# Altium PCB Open Hardware.PcbDoc
Units mil, origin at the board's own origin, x right, y up, seen from the top; angles counter-clockwise.
Board outline 1290 x 990 mil, 2 copper layers (Top Layer, Bottom Layer), stack 61.756 mil thick; 20 components, 19 nets, 95 pads, 29 vias.
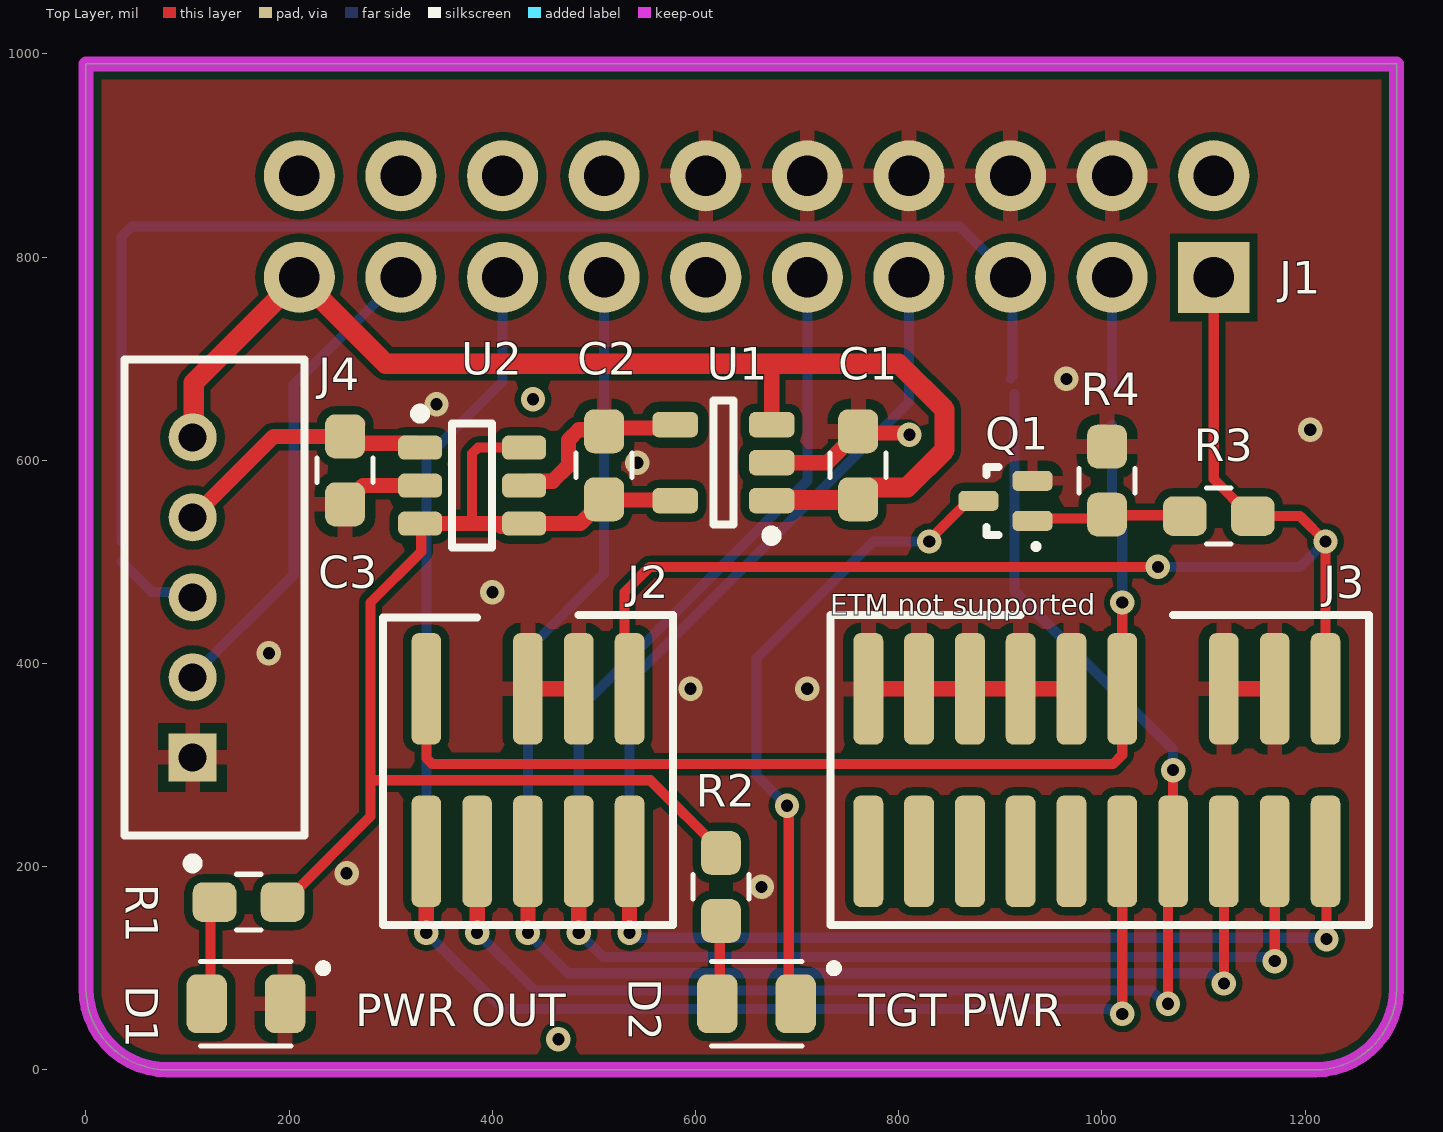
[diagram p0: Top Layer view]
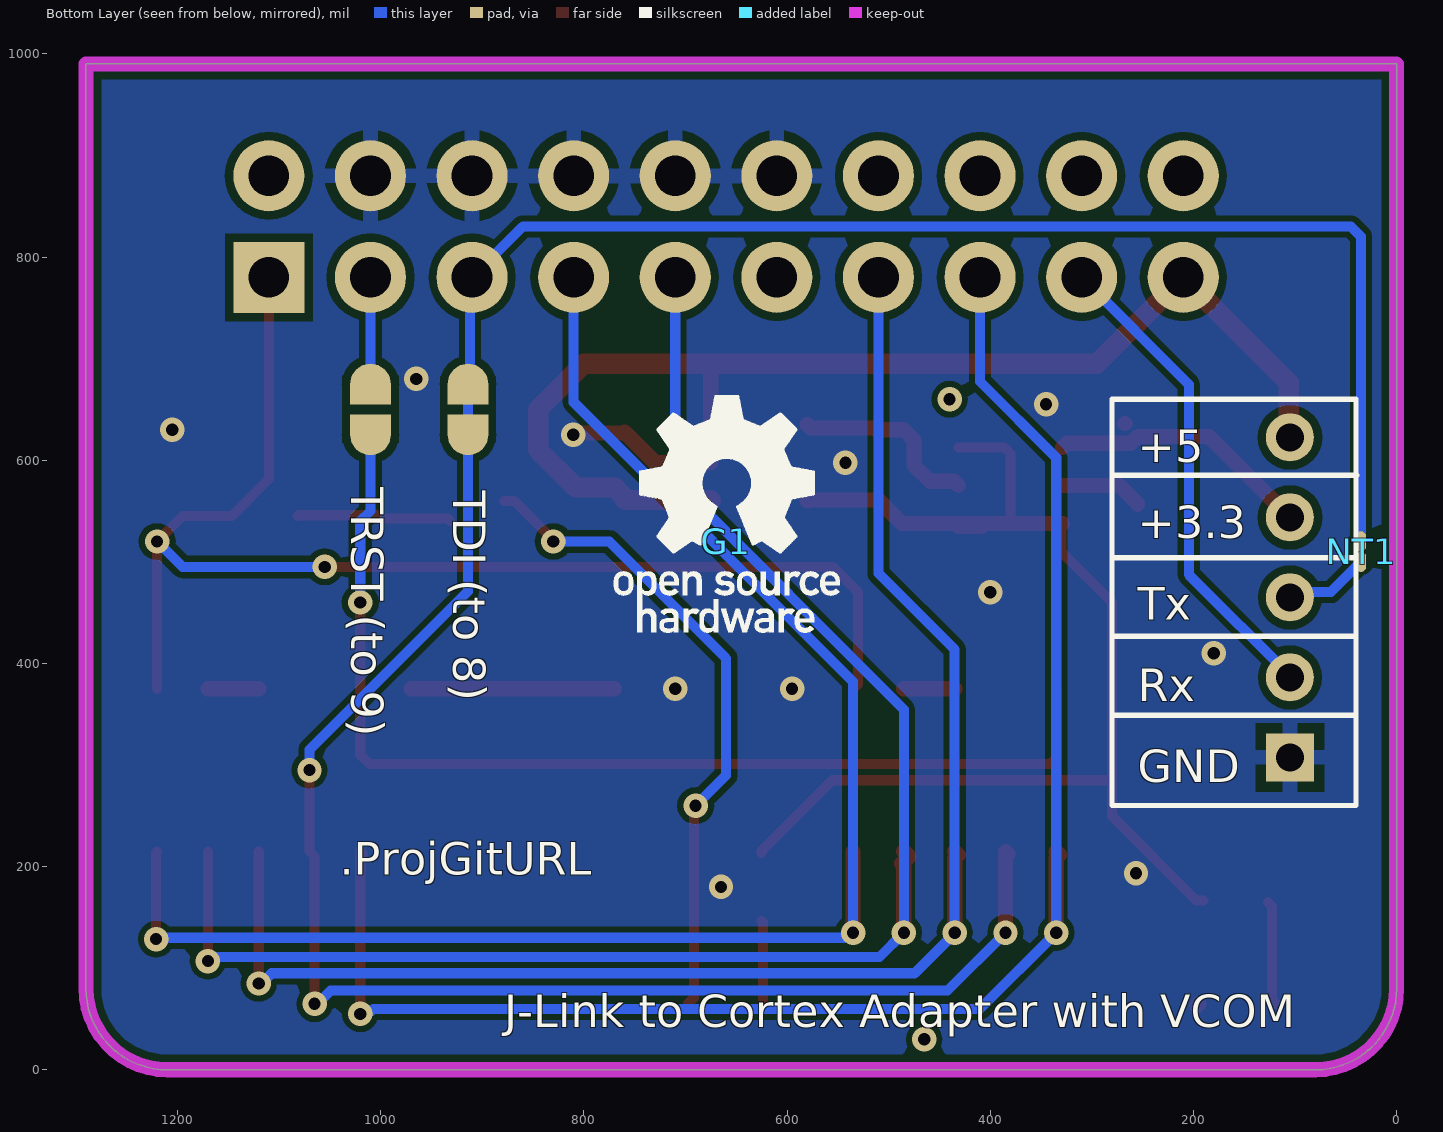
[diagram p1: Bottom Layer view, seen from below]
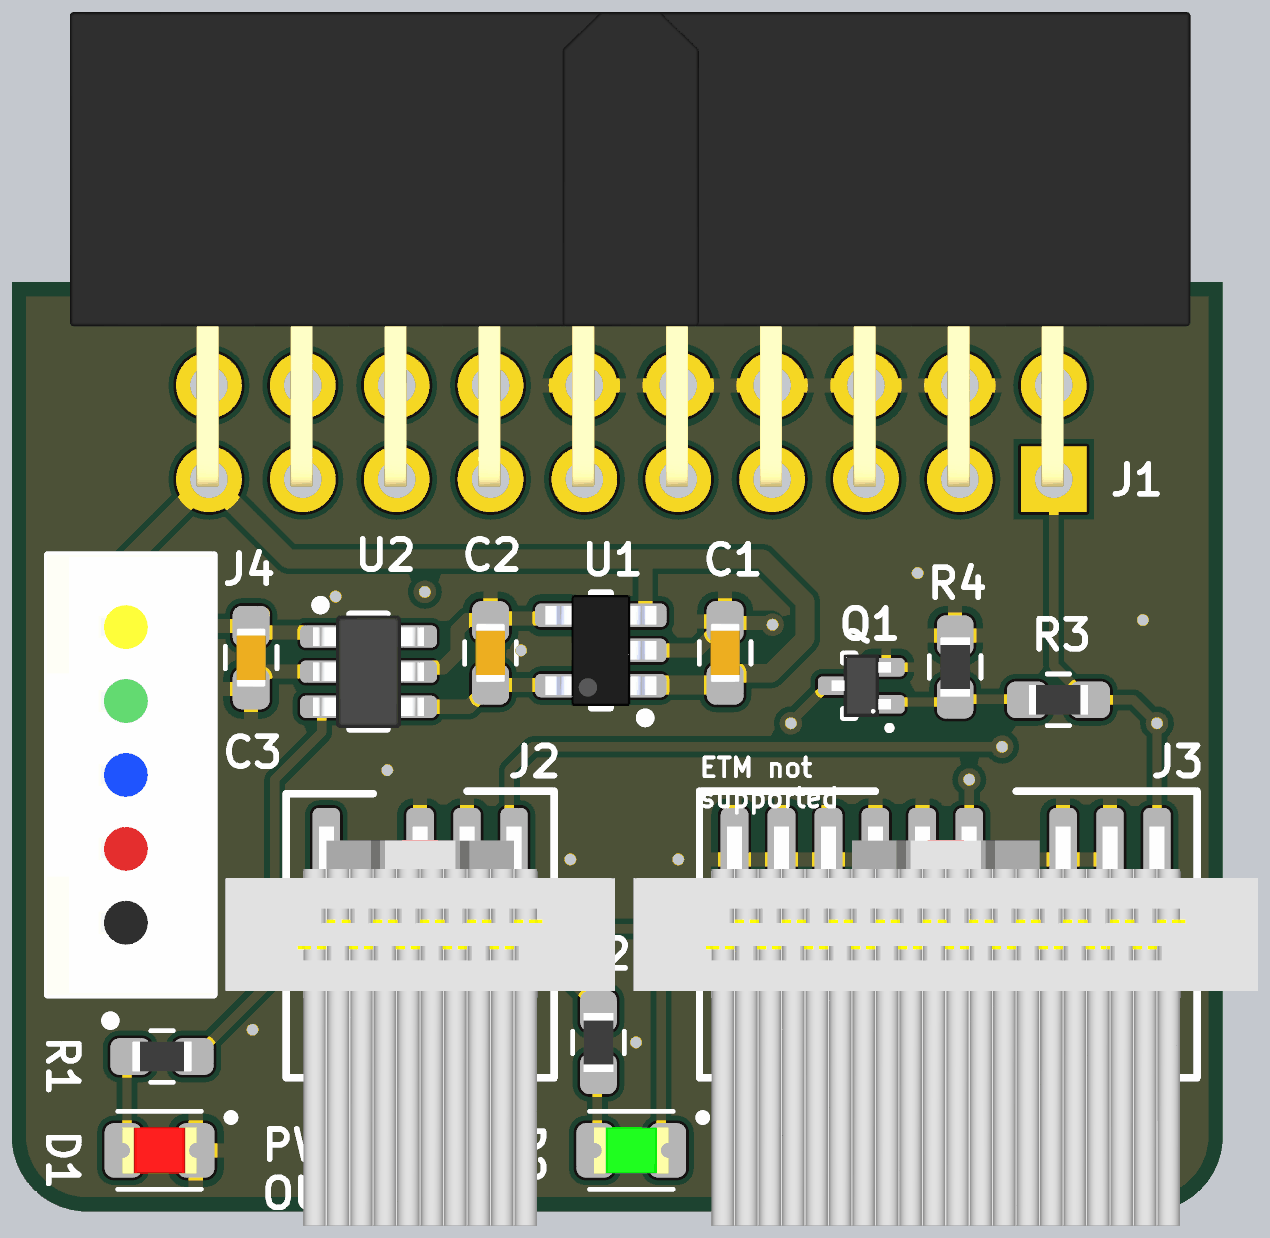
[diagram p2: 3D render of the assembled board from above, using the file's embedded part models]

## Layer stack, top to bottom
Top Solder: solder mask 1, PSR-4000BN, Dk 4.5
Top Layer: signal copper 1.378
Dielectric 1: core 59, Kingboard KB6167F, Dk 4.5
Bottom Layer: signal copper 1.378
Bottom Solder: solder mask 1, PSR-4000BN, Dk 4.5

## Board outline
1210,0 ccw(c1210,80) 1290,80 1290,990 0,990 0,80 ccw(c80,80) 80,0

## Design rules (kind name [scope] priority, off if disabled: settings)
BoardOutlineClearance [All] p1: gap=15 ignorepadtopadclearanceinfootprint=FALSE
Clearance [All] p1: gap=6 ignorepadtopadclearanceinfootprint=FALSE except(8: SMDPad-Poly THPad-Poly; 12: Arc-Hole Track-Hole SMDPad-Hole THPad-Hole Via-Hole Fill-Hole Poly-Hole Region-Hole Text-Hole)
ComponentClearance [All] p1: gap=5 collisioncheckmode=3 verticalgap=5 showdistances=TRUE
Creepage [All] p1: checkdistance=3 ignoreinternallayers=FALSE
DiffPairsRouting [All] p1: maxlimit=10 minlimit=5 mostfreqgap=5 toplayer_minwidth=5 toplayer_maxwidth=1000 toplayer_prefwidth=5 bottomlayer_minwidth=5 bottomlayer_maxwidth=1000 bottomlayer_prefwidth=5 maxuncoupledlength=500
Height [All] p1: minheight=0 maxheight=71497.94 prefheight=500
HoleSize [All] p1: absolutevalues=TRUE maxlimit=248.03 minlimit=10 maxpercent=80.000 minpercent=20.000
HoleToHoleClearance [All] p1: gap=9.84 allowstackedmicrovias=FALSE
MinimumAnnularRing [All] p1: minimumring=3
MinimumSolderMaskSliver [All] p1: minsoldermaskwidth=4
PasteMaskExpansion "THT Paste" [IsThruPin or IsThruVia or IsVia] p1: expansion=-99999
PasteMaskExpansion [All] p2: expansion=0
PlaneClearance [All] p1: clearance=5
PlaneConnect PlaneConnectPowerPads [InPadClass('PowerPads')] p1: planeconnectstyle=Direct reliefexpansion=20 reliefentries=4 reliefconductorwidth=10 reliefairgap=10
PlaneConnect [All] p2: pad.planeconnectstyle=Relief pad.reliefexpansion=11.81 pad.reliefentries=4 pad.reliefconductorwidth=5 pad.reliefairgap=5 via.planeconnectstyle=Direct via.reliefexpansion=11.81 via.reliefentries=4 via.reliefconductorwidth=5 via.reliefairgap=5
PolygonConnect PolygonConnectPowerPads [All vs InPolygonClass('PWRPLY')] p1: thpad.connectstyle=Relief thpad.reliefconductorwidth=15 thpad.reliefentries=4 thpad.polygonreliefangle="90 Angle" thpad.airgapwidth=10 smdpad.connectstyle=Relief smdpad.reliefconductorwidth=15 smdpad.reliefentries=4 smdpad.polygonreliefangle="90 Angle" smdpad.airgapwidth=10 via.connectstyle=Direct via.reliefconductorwidth=10 via.reliefentries=4 via.polygonreliefangle="90 Angle" via.airgapwidth=10
PolygonConnect [All] p2: thpad.connectstyle=Relief thpad.reliefconductorwidth=8 thpad.reliefentries=4 thpad.polygonreliefangle="90 Angle" thpad.airgapwidth=8 smdpad.connectstyle=Relief smdpad.reliefconductorwidth=5 smdpad.reliefentries=4 smdpad.polygonreliefangle="90 Angle" smdpad.airgapwidth=5 via.connectstyle=Direct via.reliefconductorwidth=5 via.reliefentries=4 via.polygonreliefangle="90 Angle" via.airgapwidth=5
RoutingCorners [All] p1: cornerstyle=45-Degree minsetback=250 maxsetback=100
RoutingVias [All] p1: holewidth=12 width=24 viastyle="Through Hole" minholewidth=10 minwidth=20 maxholewidth=23.62 maxwidth=259.84
SilkToSilkClearance [All] p1: silktosilkclearance=3
SilkToSolderMaskClearance [IsPad or IsVia] p1: minsilkscreentomaskgap=3 clearancetoexposedcopper=FALSE
SolderMaskExpansion TentedVias [IsVia] p1: expansion=4 istentingtop=TRUE
SolderMaskExpansion [All] p2: expansion=3 istentingtop=FALSE
UnRoutedNet [All] p1: checkbadconnections=TRUE
Width PWRWIDTH [InNetClass('PWR')] p1: maxlimit=40 minlimit=10 preferedwidth=15 minimp=50.000000 maximp=50.000000 favimp=50.000000
Width [All] p2: maxlimit=1000 minlimit=6 preferedwidth=10 minimp=50.000000 maximp=50.000000 favimp=50.000000
17 further rules are at their usual default settings.

## Classes and differential pairs
polygon class PWRPLY: BOTGND TOPGND
net class PWR: +3.3 +3.3_EXT +5 GND

## Components (designator, comment, footprint, x,y, rotation, side; value= is the part's Value field where it differs from the comment)
C1 "CAP 0603 1UF 16V 10% X7R" 0603_CAP 760,595 r270 top value=1UF
C2 "CAP 0603 1UF 16V 10% X7R" 0603_CAP 510,595 r270 top value=1UF
C3 "CAP 0603 1UF 16V 10% X7R" 0603_CAP 255,590 r90 top value=1UF
D1 "Red LED" SM0805HCL 157.4,65 r180 top
D2 "Green LED" SM0805GCL 660,65 r180 top
G1 "Comment" OSHW_.25in 660,520 r180 bottom
J1 "20 contact Female header, RA" SFH11-PBPC-D10-RA-BK 660,1110.31 r180 top
J2 "Cortex Debug, 0.050\" 10 Pin" "FTSH-105-01-F-DV-007-K WITH PLUG" 435,295 r180 top
J3 "Cortex Debug+ETM Connector, 0.050\" 20 Pin" "FTSH-110-01-F-DV-007-K with plug" 1120,295 r180 top
J4 "5 Pin, 2mm" "B5B-PH-K-S with wires" 126.65,465 r270 top
NT1 "Net Tie" NT10 35,520 r270 bottom net-tie
Q1 "N-Channel MOSFET" SC89 905,560 r180 top
R1 "RES 0603 680 1%" 0603_RES 160,165 r0 top value=680
R2 "RES 0603 680 1%" 0603_RES 625,180 r90 top value=680
R3 "RES 0603 1K 1%" 0603_RES 1115,545 r180 top value=1K
R4 "RES 0603 10K 1%" 0603_RES 1005,580 r270 top value=10K
"TDI (to 8)" "SMD JMP" SMD_JMP_SHRT 914,665 r270 bottom net-tie
"TRST (to 9)" "SMD JMP" SMD_JMP_OPEN 1010,665 r270 bottom
U1 "3.3V LDO" SOT23-5 627.5,597.6 r90 top
U2 "Hot Swap Controller" TI_DBV0006A 380,575 r0 top

## Footprints (in the part's own frame and the unit in brackets; to place one, negate y for a bottom-side part, rotate by r counter-clockwise, add the part's x,y. Pads: shape width x height; smd on the part's side, far side on the other; paste and mask are expansions set on the pad)
0603_CAP [mm]
  rrect50% 1.1x1 smd: 1(-0.85,0) 2(0.85,0)
  silkscreen extent -0.3,-0.7 0.3,0.7, body extent -0.8,-0.4 0.8,0.4, height 0.6
0603_RES [mil]
  rrect50% 43x39 smd: 1(-33.46,0) 2(33.46,0)
  silkscreen extent -12,-28 12,28, body extent -31,-16 32,16, height 24
"B5B-PH-K-S with wires" [mm]
  rect 1.2x1.2 hole 0.7 paste-1000: 1(4,-0.55)
  round 1.2 hole 0.7 paste-1000: 2(2,-0.55) 3(0,-0.55) 4(-2,-0.55) 5(-4,-0.55)
  silkscreen extent -5.95,-2.25 6.77,2.25, body extent -5.95,-2.26 5.95,2.24, height 13.46
"FTSH-105-01-F-DV-007-K WITH PLUG" [mil]
  rrect50% 29.13x109.84 smd: 1(-100,-80) 2(-100,80) 3(-50,-80) 4(-50,80) 5(0,-80) 6(0,80) 8(50,80) 9(100,-80) 10(100,80)
  silkscreen extent -143,-153 143,153, body extent -207,-115 208,310, height 315
"FTSH-110-01-F-DV-007-K with plug" [mil]
  rrect50% 29.13x109.84 smd: 1(-100,-80) 2(-100,80) 3(-50,-80) 4(-50,80) 5(0,-80) 6(0,80) 8(50,80) 9(100,-80) 10(100,80)
  rrect50% 29.5x109.84 smd: 11(150,-80) 12(150,80) 13(200,-80) 14(200,80) 15(250,-80) 16(250,80) 17(300,-80) 18(300,80) 19(350,-80) 20(350,80)
  silkscreen extent -143,-153 387,153, body extent -207,-115 458,310, height 315
NT10 [mil]
  oval 20x10 smd paste-999 mask-999: 1(0,0)
  oval 20x10 smd paste-9999 mask+4: 2(20,0)
OSHW_.25in [mil]
  silkscreen extent -110,-90 112,144
SC89 [mm] "SOT-416FL, 3-Leads, Body 1.60x1.60mm, Pitch 0.50mm, IPC Low Density"
  rrect50% 1x0.5 smd: 1(-0.675,0.5) 2(-0.675,-0.5) 3(0.675,0)
  silkscreen extent -0.77,-0.85 0.48,1.16, body extent -0.8,-0.85 0.8,0.85, height 0.85
SFH11-PBPC-D10-RA-BK [mil] "CONN HDR 20POS 0.1 GOLD PCB R/A"
  rect 70x70 hole 40 paste-39370.1: 1(-450,330.31)
  round 70 hole 40 paste-39370.1: 2(-450,230.31) 3(-350,330.31) 4(-350,230.31) 5(-250,330.31) 6(-250,230.31) 7(-150,330.31) 8(-150,230.31) 9(-50,330.31) 10(-50,230.31) 11(50,330.31) 12(50,230.31) 13(150,330.31) 14(150,230.31) 15(250,330.31) 16(250,230.31) 17(350,330.31) 18(350,230.31) 19(450,330.31) 20(450,230.31)
  body extent -596,-167 598,338, height 280
SM0805GCL [mm]
  rrect50% 1.01x1.47 smd: A(0.98,0) K(-0.98,0)
  silkscreen extent -2.03,-1.05 1.13,1.05, body extent -1,-0.62 1,0.62, height 1.12
SM0805HCL [mm]
  rrect50% 1.01x1.47 smd: A(0.98,0) K(-0.98,0)
  silkscreen extent -2.03,-1.05 1.13,1.05, body extent -1,-0.62 1,0.62, height 1.12
SMD_JMP_OPEN [mil]
  round 40 smd paste-9999 mask+0: 1(-10,0) 2(40,0)
  rect 20x40 smd paste-9999 mask+0: 1(0,0) 2(30,0)
SMD_JMP_SHRT [mil]
  round 40 smd paste-9999 mask+0: 1(-10,0) 2(40,0)
  rect 20x40 smd paste-9999 mask+0: 1(0,0) 2(30,0)
  Top Layer lines w10: 30,0 0,0
SOT23-5 [mil]
  rrect50% 25x45 smd: 1(-37.4,-47.5) 2(0,-47.5) 3(37.4,-47.5) 4(37.4,47.5) 5(-37.4,47.5)
  silkscreen extent -77,-52 61,10, body extent -59,-59 59,59, height 51
TI_DBV0006A [mm] "SOT23, 6-Leads, Body 2.90x2.80mm, Pitch 0.95mm, IPC Medium Density"
  rrect50% 1.1x0.6 smd: 1(-1.3,0.95) 2(-1.3,0) 3(-1.3,-0.95) 4(1.3,-0.95) 5(1.3,0) 6(1.3,0.95)
  silkscreen extent -1.42,-1.55 0.5,1.92, body extent -1.5,-1.53 1.5,1.53, height 1.45

## Part data
C1 C2 C3: "Capacitor Surface Mount 0603 Footprint 1UF 16V 10% Tolerance Ceramic X7R", Manufacturer=Various, PCB Package=0603, Tolerance=10%, Voltage=16V, ComponentLink1Description="Manufacturer Website", ComponentLink2Description="Component Datasheet", ComponentLink3Description="Octopart Link", Description in Visual="Cap SMT 0603 1UF 16V 10% Ceramic X7R", Manufacturer P/N=Various, P/N="CAP 0603 1UF 16V 10% X7R", Type="Ceramic X7R", Val=1UF, Vol=16V
D1: library part SM0805HCL, "Red 631nm LED Indication - Discrete 1.9V 0805 (2012 Metric)", Color=Red, Manufacturer=Bivar, Millicandela Rating=11.5mcd, Package Class="Surface Mount", PCB Package=0805, Test Current=2mA, Voltage Rating=1.9V, ComponentLink1Description="Manufacturer Website", ComponentLink1URL=#https://www.bivar.com/#, ComponentLink2Description="Component Datasheet", ComponentLink2URL=https://www.bivar.com/parts_content/Datasheets/SM0805HCL.pdf, ComponentLink3Description="Octopart Link", ComponentLink3URL=#https://octopart.com/sm0805hcl-bivar-2191581?r=sp#, Configuration=Single, Description in Visual="Red 631nm LED Indication - Discrete 1.9V 0805 (2012 Metric)", Lens Style=Square, Lens Type=Clear, Manufacturer P/N=SM0805HCL, P/N=SM0805HCL, Viewing Angle=130°, Wavelength=631nm
D2: library part SM0805GCL, "Green 574nm LED Indication - Discrete 1.9V 0805 (2012 Metric)", Color=Green, Manufacturer=Bivar, Millicandela Rating=3.6mcd, Package Class="Surface Mount", PCB Package=0805, Test Current=2mA, Voltage Rating=1.9V, ComponentLink1Description="Manufacturer Website", ComponentLink1URL=#https://www.bivar.com/#, ComponentLink2Description="Component Datasheet", ComponentLink2URL=https://www.bivar.com/parts_content/Datasheets/SM0805HCL.pdf, ComponentLink3Description="Octopart Link", ComponentLink3URL=#https://octopart.com/sm0805gcl-bivar-22059573?r=sp#, Configuration=Single, Description in Visual="Green 574nm LED Indication - Discrete 1.9V 0805 (2012 Metric)", Lens Style=Square, Lens Type=Clear, Manufacturer P/N=SM0805GCL, P/N=SM0805GCL, Viewing Angle=130°, Wavelength=574nm
J1: library part SFH11-PBPC-D10-RA-BK, "20 Position Header Connector  Through Hole, Right Angle", Manufacturer=Sullins, PCB Package="2x10 THT", Supplier Part Number 1=S9205-ND, ComponentLink1Description="Manufacturer Website", ComponentLink1URL=https://www.sullinscorp.com/, ComponentLink2Description="Component Datasheet", ComponentLink2URL=https://datasheet.ciiva.com/754/sfh11-pxxc-dxx-ra-xx11161-c-754566.pdf?src-supplier=Digi-Key, Description in Visual="Con Hdr Female 20 contacts horizontal 2X10 keyed", Manufacturer P/N=SFH11-PBPC-D10-RA-BK, Number of Contacts=20, Number of Rows=2, Orientation=horizontal, P/N=SFH11-PBPC-D10-RA-BK, Pitch="0.100\"", Supplier 1=Digi-Key
J2: library part "ARM Cortex Debug", "10 Pin Shrouded Header, 0.050\", Key Pin 7", Manufacturer=Samtech, Manufacturer P/N=Various, Supplier Part Number 1=SAM15640-ND, ComponentLink1Description="Pinout Reference", ComponentLink1URL=http://infocenter.arm.com/help/topic/com.arm.doc.faqs/attached/13634/cortex_debug_connectors.pdf, Contact Finish=Gold, Description in Visual="10 Pin Shrouded Header, 0.050\", Key Pin 7", Gender=Male, Number of Contacts=10, Number of Rows=2, Orientation=Vertical, P/N="ARM Cortex Debug", Pitch="0.050\"", Supplier 1=Digi-Key, Supplier 2=Digi-Key, Supplier 3=Digi-Key, Supplier Part Number 2=SAM13926CT-ND, Supplier Part Number 3=SAM11250-ND
J3: library part "Cortex Debug+ETM", "20 Pin Shrouded Header, 0.050\", Key Pin 7", Manufacturer=Samtech, Manufacturer P/N=Various, ComponentLink1Description="Pinout Reference", ComponentLink1URL=http://infocenter.arm.com/help/topic/com.arm.doc.faqs/attached/13634/cortex_debug_connectors.pdf, Contact Finish=Gold, Description in Visual="20 Pin Shrouded Header, 0.050\", Key Pin 7", Gender=Male, Number of Contacts=20, Number of Rows=2, Orientation=Vertical, P/N="Cortex Debug+ETM", Pitch="0.050\""
J4: library part B5B-PH-K-S, "JST 5-Pin PH Series, THT (2MM, 5 Pos)", Manufacturer="J.S.T. Mfg. Co.,Ltd", Manufacturer P/N=B5B-PH-K-S(LF)(SN), PCB Package=B5B-PH-K, Supplier Part Number 1="B5B-PH-K-S (LF)(SN)", ComponentLink1Description="Manufacturer Website", ComponentLink1URL=http://www.jst-mfg.com/index_e.php, ComponentLink2Description="Component Datasheet", ComponentLink2URL=http://www.jst-mfg.com/product/pdf/eng/eXH.pdf, Description in Visual="JST 5-Pin PH Series, THT (2MM, 5 Pos)", Mount=THT, Number of Contacts=5, Orientation=Vertical, P/N=B5B-PH-K-S, Supplier 1=Arrow, Type=PH
NT1: "Generic Net Tie", P/N="Net Tie"
Q1: library part RE1C002UNTCL, "N-Channel 20V 200mA (Ta) 150mW (Ta) Surface Mount EMT3F (SOT-416FL)", Manufacturer="Rohm Semiconductor", Package Class="Surface Mount", PCB Package=EMT3F, ComponentLink1Description="Manufacturer Website", ComponentLink1URL=#http://www.rohm.com#, ComponentLink2Description="Component Datasheet", ComponentLink2URL=https://d1d2qsbl8m0m72.cloudfront.net/en/products/databook/datasheet/discrete/transistor/mosfet/re1c002untcl-e.pdf, ComponentLink3Description="Octopart Link", ComponentLink3URL=#https://octopart.com/re1c002untcl-rohm-30008399?r=sp#, ComponentLink4Description="SPICE Model", ComponentLink4URL=http://rohmfs.rohm.com/en/products/library/spice/discrete/transistor/mosfet/re1c002un.lib, Description in Visual="N-Channel 20V 200mA (Ta) 150mW (Ta) Surface Mount EMT3F (SOT-416FL)", ID (Amps)=200, Manufacturer P/N=RE1C002UNTCL, P/N=RE1C002UNTCL, RDSon (mOhms)=800, Rth(JC) (K/W)=833, Vdss (V)=20
R1 R2: "Resistor Surface Mount, 680 Ohms, 0603 Footprint, 1% Tolerance 0.1W", Manufacturer=Various, PCB Package=0603, Power_Rating=0.1W, Tolerance=1%, Description in Visual="Res SMT 680 0603  1%  0.1W", Manufacturer P/N=Various, P/N="RES 0603 680 1%", Tol=1%, Val=680
R3: "Resistor Surface Mount, 1K Ohms, 0603 Footprint, 1% Tolerance 0.1W", Manufacturer=Various, PCB Package=0603, Power_Rating=0.1W, Tolerance=1%, Description in Visual="Res SMT 1K 0603  1%  0.1W", Manufacturer P/N=Various, P/N="RES 0603 1K 1%", Tol=1%, Val=1K
R4: "Resistor Surface Mount, 10K Ohms, 0603 Footprint, 1% Tolerance 0.1W", Manufacturer=Various, PCB Package=0603, Power_Rating=0.1W, Tolerance=1%, Description in Visual="Res SMT 10K 0603  1%  0.1W", Manufacturer P/N=Various, P/N="RES 0603 10K 1%", Tol=1%, Val=10K
"TDI (to 8)": library part "Solder Jumper, Shorted", "SMD Jumper, Shorted", Manufacturer=N/A, Description in Visual="SMD Jumper, Shorted", Manufacturer P/N=N/A, P/N="Solder Jumper, Shorted"
"TRST (to 9)": library part "Solder Jumper, Open", "SMD Jumper, Open", Manufacturer=N/A, Description in Visual="SMD Jumper, Open", Manufacturer P/N=N/A, P/N="Solder Jumper, Open"
U1: library part TLV75533PDBVR, "Linear Voltage Regulator IC  1 Output  500mA SOT-23-5", Manufacturer="Texas Insturments", Output Current=500mA, Output Voltage (Volts)=3.3V, PCB Package=SOT23-5, Quiescent Current (mA)=0.025, Supplier Part Number 1=296-50411-1-ND, Temperature Range="-40 to +125 °C", Vin Max (Volts)=5.5, Vin Min (Volts)=4.7, ComponentLink1Description="Manufacturer's Website", ComponentLink1URL=http://www.ti.com, ComponentLink2Description="Component Datasheet", ComponentLink2URL=https://www.ti.com/lit/ds/symlink/tlv755p.pdf?ts=1590202420722, ComponentLink3Description="Octopart Link", ComponentLink3URL=#https://octopart.com/tlv75533pdbvr-texas+instruments-91272349?r=sp#, Description in Visual="Linear Voltage Regulator IC  1 Output  500mA SOT-23-5", Manufacturer P/N=TLV75533PDBVR, P/N=TLV75533PDBVR, Supplier 1=Digi-Key, Type=LDO
U2: library part TPS22929D, "Power Switch/Driver 1:1 P-Channel 1.8A SOT-23-6", Manufacturer="Texas Instruments", Manufacturer P/N=TPS22929DDBV, PCB Package=SOT23-6, Supplier Part Number 1=296-30174-1-ND, Temp Range="-40°C to 85°C", ComponentLink1Description="Manufacturer Website", ComponentLink1URL=http://www.ti.com, ComponentLink2Description="Component Datasheet", ComponentLink2URL=http://www.ti.com/lit/ds/symlink/tps22929d.pdf?HQS=TI-null-null-digikeymode-df-pf-null-wwe&ts=1590442090849, ComponentLink3Description="Octopart Link", ComponentLink3URL=https://octopart.com/tps22929ddbvr-texas+instruments-18531971?r=sp, Description in Visual="Power Switch/Driver 1:1 P-Channel 1.8A SOT-23-6", P/N=TPS22929D, Supplier 1=Digi-Key, Supplier 2=Digi-Key, Supplier Part Number 2=296-38579-1-ND, VCC Range="1.4V to 5.5V"

## Via types
v1: diameter 24, hole 12, Top Layer to Bottom Layer, tented both sides, 29 vias

## Nets (pads, with @x,y where several pads share a name; then routed paths per layer and width w, separated by ;. In a path a pad name is that pad's centre, name@x,y a point inside that pad or via, vN(x,y) a via of type N, cw(c..) or ccw(c..) an arc to the next point about the centre after c; other vN are vias at no path point)
+3.3: C2.2 R1.2 R2.2 U1.5 U2.3 U2.4 U2.6 | length 1216.3
  Top Layer w10: R1.2@190,166.54 197,166.54 280,249.54 280,285 ; U2.3@330,537.6 330,510 280,460 280,285 ; 380,537.6 380,606.54 385.86,612.4 U2.6 ; R2.2 625,215.46 555.46,285 280,285
  Top Layer w15: U2.3 330,537.6 380,537.6 U2.4 486.76,537.6 510,560.83 C2.2 510.67,560.87 579.33,560.87 U1.5 ; 408.43,535 U2.4@431.18,535
+3.3_EXT: C3.2 J4.4 U2.1 | length 262.1
  Top Layer w15: J4.4 184.72,623.46 C3.2 261.75,616.71 324.51,616.71 U2.1 ; C3.2@267.01,636.17 C3.2@267.71,636.17
+5: C1.2 J1.19 J4.5 U1.1 U1.3 | length 1186.5
  Top Layer w15: J4.5@100.8,625.03 J4.5@103.35,622.48 ; U1.3 675,690 680,695
  Top Layer w20: J4.5@100.8,625.03 106.1,630.33 106.1,676.1 J1.19 295,695 680,695 800,695 845,650 845,610 808.19,573.19 769.69,573.19 760,563.5 C1.2 759.33,560.87 675.67,560.87 U1.1
\RESET: J1.15 J2.10 J3.10 | length 1633.9
  Top Layer w10: v1(1020,55) 1020,210.17 1017.59,212.59 J3.10
  Top Layer w15: v1@335,140 335,208.5 331.75,211.75 J2.10
  Bottom Layer w10: J1.15 410,677.53 335,602.53 v1(335,135) 410,60 1007.14,60 1009.46,57.68 1017.32,57.68 v1(1020,55)
\TRST: "TRST (to 9).1" J1.3 | length 105
  Bottom Layer w10: 1010,675 J1.3
\TRST_O: "TRST (to 9).2" J2.9 J3.9 | length 1088.4
  Top Layer w10: J2.9 335,306.86 340.86,301 1011,301 1020,310 v1(1020,460)
  Bottom Layer w10: 1010,635 1010,625 1010,550 1020,540 v1(1020,460)
GND: C1.1 C2.1 C3.1 D1.K J1.4 J1.6 J1.8 J1.10 J1.12 J2.3 J2.5 J3.3 J3.5 J3.11 J3.13 J3.15 J3.17 J3.19 J4.1 Q1.2 R4.1 U1.2 U1.4 U2.2 U2.5 | length 723.4
  Top Layer w15: D1.K@194.8,65 D1.K@196.81,62.99 ; C3.1 255,557.24 272.76,575 U2.2 ; U2.5 435.49,579.31 459.31,579.31 475,595 475,620 485,630 508.46,630 C2.1 513.27,631.73 576.73,631.73 U1.4 ; J2.5 J2.3 ; U1.2 729.83,597.6 760,627.76 761.03,626.73 808.74,626.73 v1(810.47,625) ; J3.19 J3.17 J3.15 J3.13 J3.11 ; J3.5 J3.3
  other v1: 665,180 256.5,193.5 595,375 710,375 180,410 400,470 542.5,597.6 1205,630 345,655 965,680
NetD1_A: D1.A R1.1 | length 103.2
  Top Layer w10: D1.A 122.68,68.86 122.68,161.14 R1.1
NetD2_A: D2.A R2.1 | length 82.5
  Top Layer w10: D2.A@622.6,65 623.8,66.2 623.8,145.33 R2.1
NetD2_K: D2.K Q1.3 | length 639
  Top Layer w10: v1(690,260) 691.72,258.28 691.72,70.68 D2.K@697.4,65 ; v1(830,520) 830,521.42 868.58,560 Q1.3
  Bottom Layer w10: v1(690,260) 660,290 660,405 775,520 v1(830,520)
NetQ1_1: Q1.1 R3.2 R4.2 | length 153.2
  Top Layer w10: Q1.1 933.92,542.66 1001.12,542.66 R4.2 1005.77,545.77 1080.77,545.77 R3.2
Rx: J1.17 J4.2 | length 479.3
  Bottom Layer w10: J4.2@103.35,386.26 204.5,487.41 204.5,674.5 J1.17
SWDCLK: J1.9 J2.4 J3.4 | length 1618.6
  Top Layer w10: v1(1170,107) J3.4
  Top Layer w15: v1@485,145 485,201 487,203 480,210 J2.4
  Bottom Layer w10: J1.9 710,579.68 485,354.68 v1(485,135) 509,111 1166,111 v1(1170,107)
SWDIO: J1.7 J2.2 J3.2 | length 1609.3
  Top Layer w10: J3.2 1220.98,214.02 v1(1220.98,128.66)
  Top Layer w15: v1@535,140 J2.2
  Bottom Layer w10: J1.7 810,657.06 535,382.06 v1(535,135) 538.79,135 543.79,130 1219.64,130 v1(1220.98,128.66)
SWO: J1.13 J2.6 J3.6 | length 1589.4
  Top Layer w10: v1(1120,85) J3.6
  Top Layer w15: v1@435,140 435,208 431.5,211.5 J2.6
  Bottom Layer w10: v1@435,134.44 474.44,95 1107.14,95 1117.14,85 v1(1120,85) ; v1(435,135) 435,413.78 510,488.78 J1.13
TDI: "TDI (to 8).2" J2.8 J3.8 | length 1427.8
  Top Layer w10: v1(1065,65) 1065,210 J3.8 v1(1070,295)
  Top Layer w15: v1(385,135) 385,210 382.5,212.5 J2.8
  Bottom Layer w10: v1(385,135) 442,78 1049.14,78 1062.14,65 v1(1065,65) ; 914,635 914,625 914,471 1070,315 v1(1070,295)
Tx: J4.3 NT1.2 | length 84.5
  Bottom Layer w10: NT1.2 64.72,470.28 99.72,470.28 J4.3
Tx/TDI: "TDI (to 8).1" J1.5 NT1.1 | length 1301
  Bottom Layer w10: NT1.1 35,820 45,830 860,830 J1.5 912,778 912,682.49 910,680.49
VREF_TGT: J1.1 J2.1 J3.1 R3.1 | length 1286.8
  Top Layer w10: J2.1 530,380 530,470 555,495 v1(1055,495) ; J1.1 1110,590 1110,581.46 1146.46,545 R3.1 1155,545 1195,545 v1(1220,520) J3.1
  Bottom Layer w10: v1(1055,495) 1195,495 v1(1220,520)
pads on no net: J1.2 J1.11 J1.14 J1.16 J1.18 J1.20 J3.12 J3.14 J3.16 J3.18 J3.20
copper on no net:
  other v1: 465,30 440,660

## Polygon pours and split planes (outlines as drawn)
GND on Top Layer "TOPGND" (solid, remove dead copper, pour order 2): 1210.29,0.15 ccw(c1210.29,80.15) 1290.29,80.15 1290.29,990.15 0.29,990.15 0.29,80.15 ccw(c80.29,80.15) 80.29,0.15
GND on Bottom Layer "BOTGND" (solid, remove dead copper, pour order 3): 1210.07,0.44 ccw(c1210.07,80.44) 1290.07,80.44 1290.07,990.44 0.07,990.44 0.07,80.44 ccw(c80.07,80.44) 80.07,0.44

## Keep-outs
Keep-Out Layer:
  the board outline again, w15

## Silkscreen, mask and mechanical layers (free items; w line width, h text height)
Top Overlay:
  text "ETM not supported" at 732.65,447.68 h20
  text "PWR OUT" at 265,43 h32
  text "TGT PWR" at 760,43 h32
Bottom Overlay:
  lines w5: 39,585.24 279,585.24 ; 40,426.77 280,426.76 ; 40.25,504.01 280.25,504.01 ; 40.6,348.98 279.78,348.98 ; 40,260 40,660 280,660 280,260 40,260
  text "+5" at 255,598 h32
  text "+3.3" at 255,523 h32
  text "Tx" at 255,443 h32
  text "Rx" at 255,363 h32
  text "GND" at 255,283 h32
  text ".ProjGitURL" at 1040,191.91 h32
  text "J-Link to Cortex Adapter with VCOM" at 878.36,41.91 h32
CAM Title Block:
  drawing of 59 lines, arcs and shapes, not listed
  text "1" at -578.29,5306.6 h48.36
  text "2" at 2164.83,5306.6 h48.36
  text "3" at 4917.96,5306.6 h48.36
  text "4" at 7663.58,5306.6 h48.36
  text "A" at -1851.46,4344.46 h48.36
  text "A" at 8949.26,4344.46 h48.36
  text "B" at -1846.46,2219.25 h48.36
  text "B" at 8953.43,2219.25 h48.36
  text "C" at 8952.6,94.88 h48.36
  text "C" at -1842.3,84.88 h48.36
  text "D" at -1849.8,-2030.33 h48.36
  text "D" at 8950.1,-2030.33 h48.36
  text "Title:" at 5360.69,-2111.2 h65.87
  text "'.Pcb_File_Name_No_Path'" at 5710.88,-2111.2 h63.36
  text "*" at 5610.83,-2225.42 h32.52
  text "*" at 5610.83,-2285.45 h32.52
  text "Desc:" at 5360.69,-2297.96 h42.52
  text "*" at 5610.83,-2345.48 h32.52
  text "Letter" at 5560.8,-2493.06 h42.52
  text "Auth:" at 5961.01,-2493.06 h42.52
  text "Proj:" at 7060.76,-2493.06 h42.52
  text "Size:" at 5360.69,-2498.06 h42.52
  text ".ProjAuth" at 6211.14,-2514.5 h42.52
  text ".ProjShrtName" at 7261,-2515 h42.52
  text "1" at 7360.92,-2632.71 h37.52
  text "1" at 7661.08,-2632.71 h37.52
  text "Date:" at 5360.69,-2638.96 h37.52
  text "'.ModifiedDate'" at 5610.83,-2638.96 h37.52
  text "Time:" at 6361.22,-2638.96 h37.52
  text "'.ModifiedTime'" at 6571.34,-2638.96 h37.52
  text "Sheet" at 7060.76,-2638.96 h37.52
  text "of" at 7511,-2638.96 h37.52
  text ".ProjGitURL" at 5611.5,-2717 h37.52
  text "Repo:" at 5360.69,-2729 h37.52
  text "File:" at 5360.69,-2829.05 h37.52
  text "'.Pcb_File_Name'" at 5610.83,-2829.05 h37.52
  text "1" at -578.29,-2992.47 h48.36
  text "2" at 2164.83,-2992.47 h48.36
  text "3" at 4917.96,-2992.47 h48.36
  text "4" at 7663.58,-2992.47 h48.36

## Text inside footprints (layer, text, board x,y; h text height)
C1: Librarian Notes "SS 102512, ADDED SILKSCREEN." at 786,653 h1 r270
C2: Librarian Notes "SS 102512, ADDED SILKSCREEN." at 536,653 h1 r270
C3: Librarian Notes "SS 102512, ADDED SILKSCREEN." at 229,532 h1 r90
J1: Designer Notes "1" at 1180,800.31 h30 r180; Designer Notes "2" at 1185,900.31 h30 r180; Designer Notes "20" at 165,900.31 h30 r180; Designer Notes "19" at 165,795.31 h30 r180; Designer Notes "Recommended Edge" at 1755,995.31 h30 r180
R1: Librarian Notes "SS 102512, ADDED SILKSCREEN." at 103,191 h1
R2: Librarian Notes "SS 102512, ADDED SILKSCREEN." at 599,123 h1 r90
R3: Librarian Notes "SS 102512, ADDED SILKSCREEN." at 1172,519 h1 r180
R4: Librarian Notes "SS 102512, ADDED SILKSCREEN." at 1031,637 h1 r270
U1: Librarian Notes "HISTORY: MT 082510, UPDATED STEP FILE." at 550.5,537.6 h1 r90; Librarian Notes "LOCATION: SOT.PCBLIB" at 548.5,537.6 h1 r90